# Altium PCB radxa_cm3i_io_board_v1.4.PcbDoc (part 8 of 9)
Units mil, origin at the board's own origin, x right, y up, seen from the top; angles counter-clockwise.
Board outline 7886.22 x 5511.42 mil, 4 copper layers (Top, GND, Power, Bottom), stack 35.4 mil thick; 724 components, 544 nets, 2607 pads, 3449 vias.
Unrouted connection lines stored in the file: 2847.
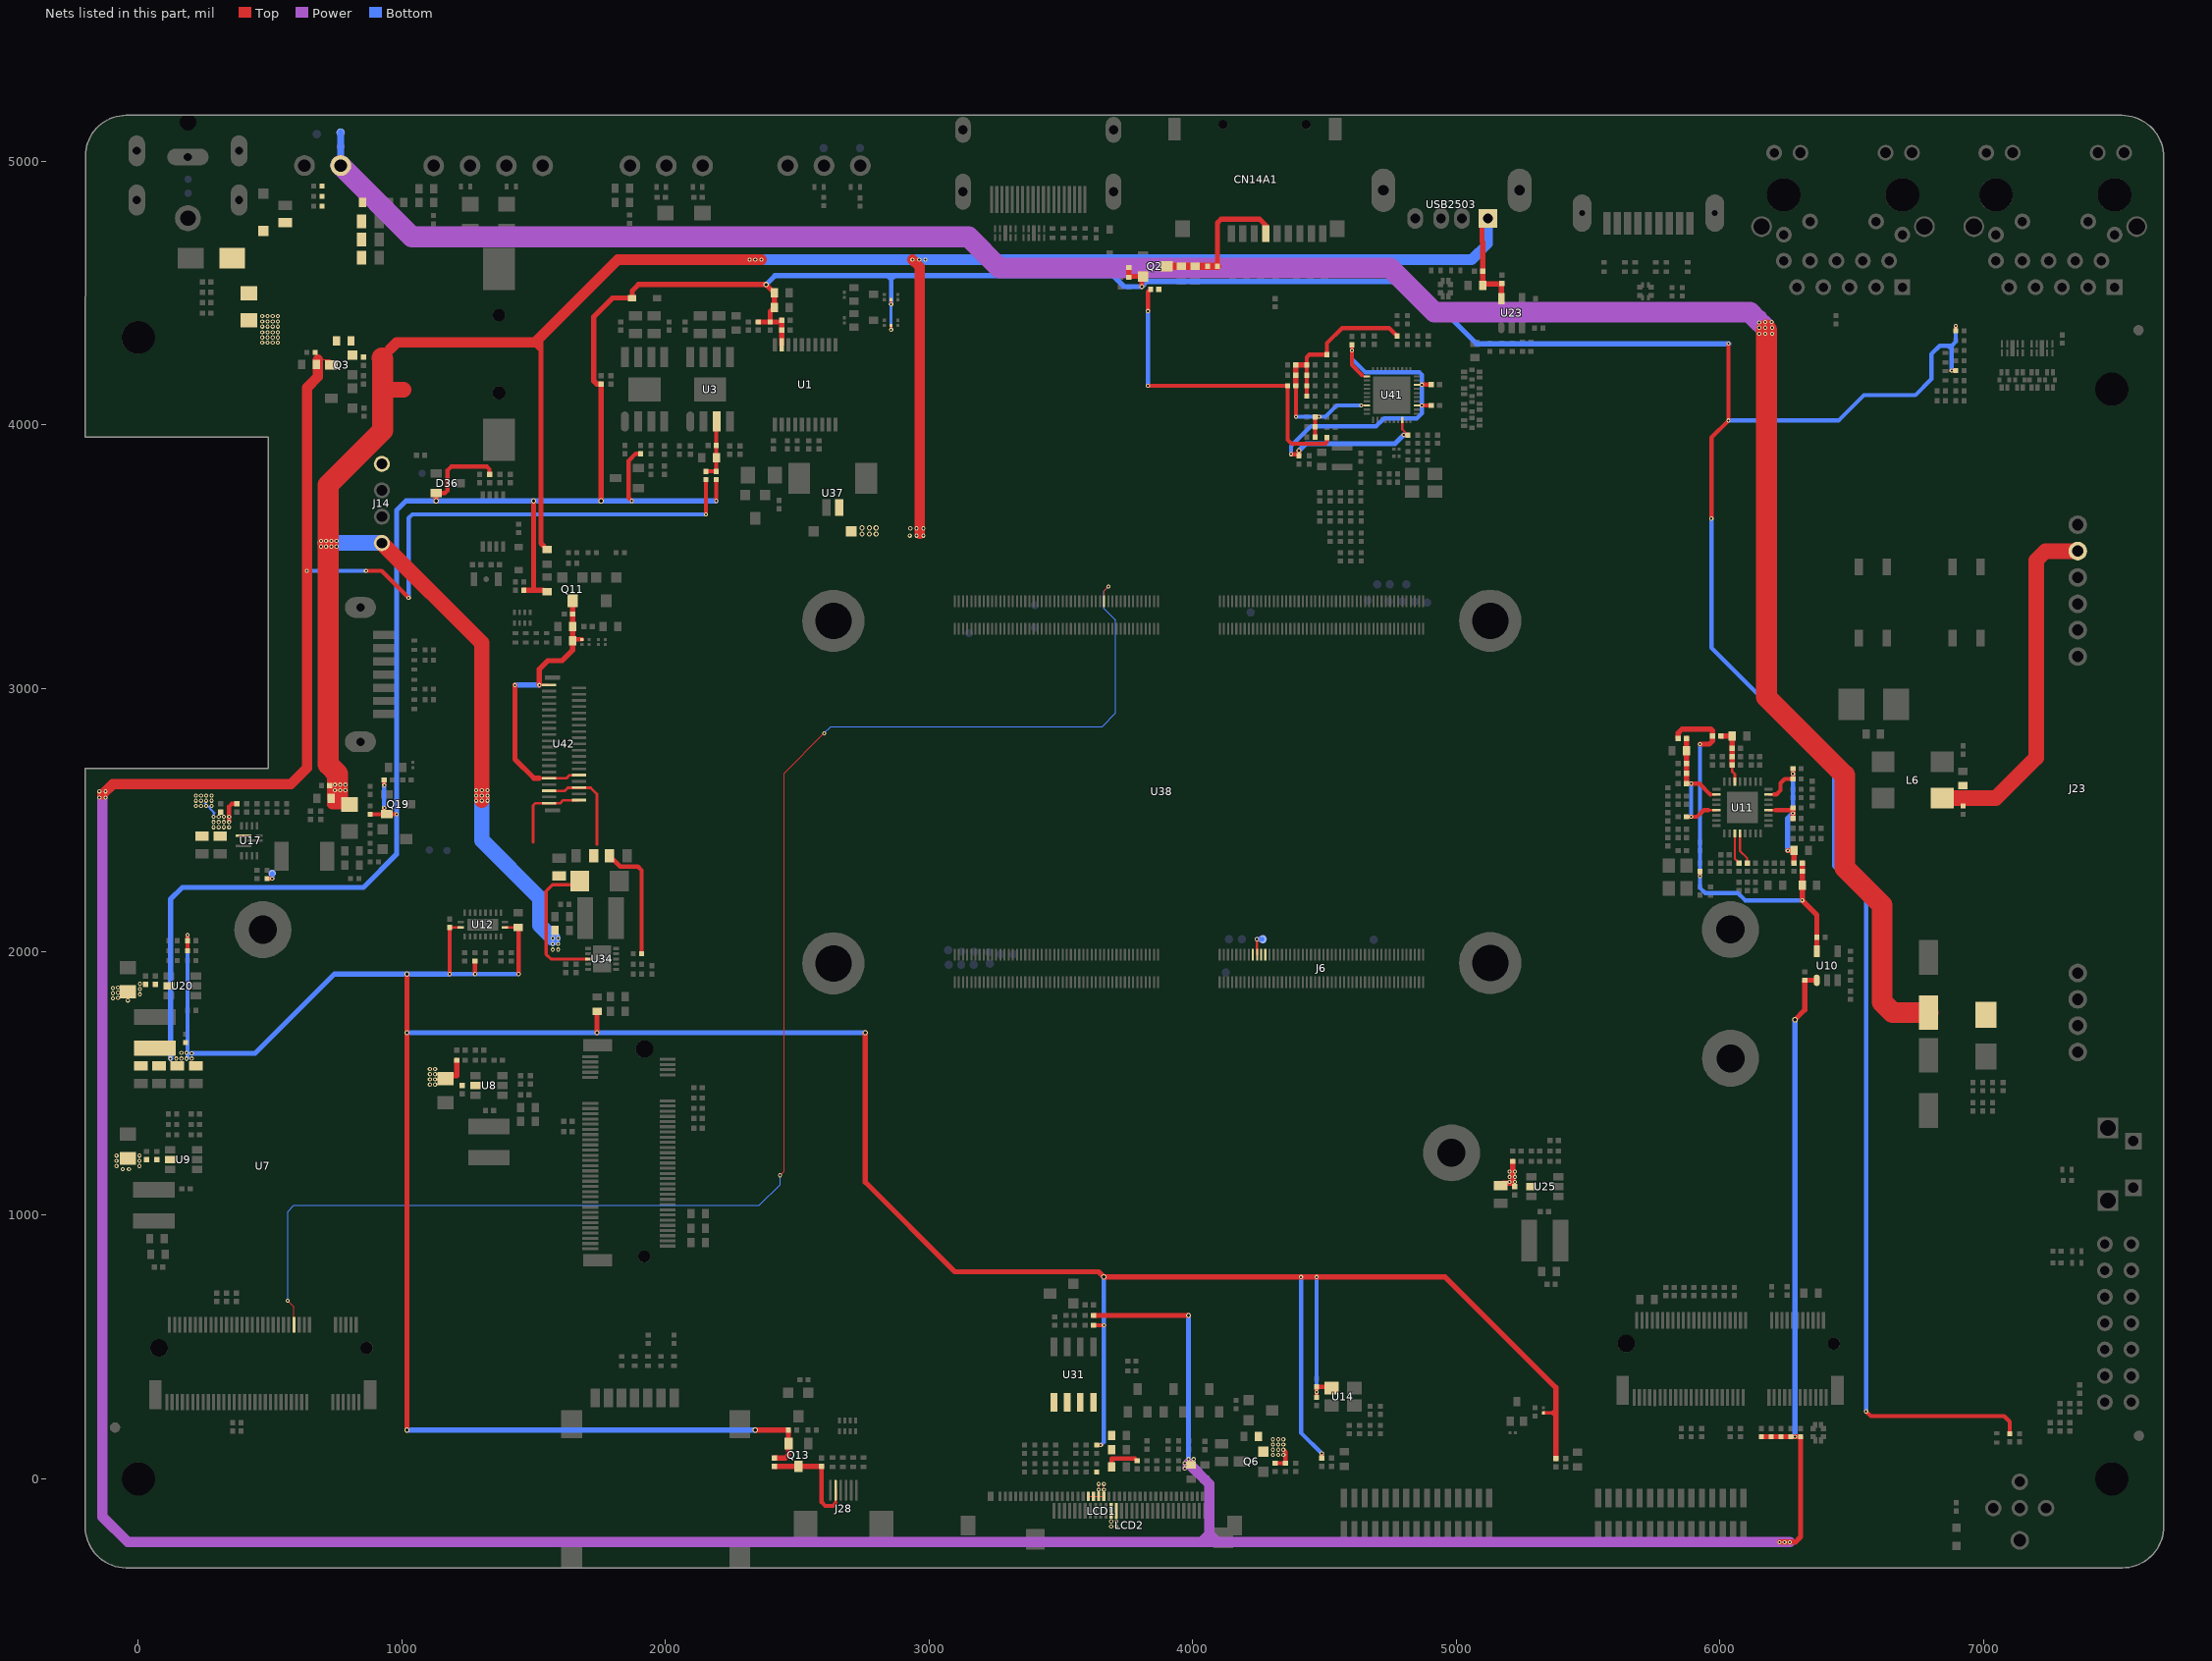
[diagram p10: the nets of this part, all layers, seen from the top]

## Via types
v1: diameter 15.75, hole 7.87, Top to Bottom, 3415 vias
v2: diameter 19.68, hole 11.81, Top to Bottom, 34 vias

## Nets (pads, with @x,y where several pads share a name; then routed paths per layer and width w, separated by ;. In a path a pad name is that pad's centre, name@x,y a point inside that pad or via, vN(x,y) a via of type N, cw(c..) or ccw(c..) an arc to the next point about the centre after c; other vN are vias at no path point) (continued)
VCC3V3_PI6C_05: C53.1 C54.1 FB3.1 R116.1 R117.1 R118.1 R119.1 U10.5 | length 1581
  Top w3.94: C53.1@6312.99,2251.97 C53.1@6312.99,2253.94
  Top w15.75: v1(5925.2,2287.4) FB3.1@5925.2,2305.12
  Top w19.68: R119.1@5842.52,2809.06 5842.52,2830.71 5856.3,2844.49 5966.54,2844.49 5972.44,2838.58 R116.1@5972.44,2818.9 5972.44,2799.21 5960.63,2787.4 v1(5925.2,2787.4) ; R118.1@6312.99,2336.61 R117.1@6312.99,2305.12 6312.99,2253.94 v1(6312.99,2194.88) 6368.11,2139.76 6368.11,2086.61 C54.1@6368.11,2055.12 U10.5@6368.11,2001.97
  Bottom w15.75: v1(5925.2,2787.4) v1(5925.2,2287.4) 5925.2,2242.13 5944.88,2222.44 6068.9,2222.44 6096.46,2194.88 v1(6312.99,2194.88)
VCC3V3_SD: J6.78 J6.80 J6.82 J6.84 P15.1 | length 81.3
  Top w7.87: v1(4244.09,2047.24) 4244.09,1988.19 J6.82@4244.49,1988.58
  Bottom w15.75: v1(4244.09,2047.24) P15.1@4265.75,2047.24
VCC3V3_SD_1: C105.1 C106.1 C108.1 C109.1 CN14A1.4 Q2.3 R176.2 | length 655.1
  Top w19.68: C109.1@4094.49,4600.39 4094.49,4765.75 4108.27,4779.53 4253.94,4779.53 4277.56,4755.91 4277.56,4717.89 CN14A1.4@4277.17,4724.19
  Top w27.56: Q2.3@3900.83,4600.39 C105.1@4009.84,4600.39 ; C108.1@3956.69,4600.39 C105.1@4009.84,4600.39 ; C109.1@4094.49,4600.39 C106.1@4057.09,4600.39 C105.1@4009.84,4600.39
VCC3V3_SYS: C3.1 C4.1 C7.1 C8.1 C79.1 C80.1 C92.1 C107.1 C130.1 C131.1 C132.1 C135.1 C136.1 C137.1 D5.1 D36.2 FB7.1 FB8.1 L4.2 Q2.2 Q13.2 Q19.2 R7.1 R9.2 R11.1 R16.1 R24.2 R25.1 R34.2 R39.1 R44.1 R47.1 R152.1 R169.2 R176.1 R177.1 R188.1 R232.2 R238.2 R284.2 R299.1 R333.1 R338.1 R341.2 R346.2 R347.1 R396.1 R399.1 R417.2 R419.1 U1.19 U12.9 U12.20 U14.4 | length 32221.4
  Top w9.84: C80.1@1181.1,2092.52 U12.20@1223.23,2092.52 ; U12.9@1390.94,2092.52 C79.1@1440.94,2092.52
  Top w11.81: v1(2856.3,4360.24) R47.1@2856.3,4375.98 ; v1(2856.3,4456.69) R44.1@2856.3,4474.41 ; R39.1@5330.71,250 5364.17,250 ; 5377.95,236.22 5364.17,250 ; 5377.95,246.25 5374.2,250 5364.17,250 ; 5377.95,263.78 5364.17,250
  Top w15.75: R188.1@187.01,2003.94 C130.1@187.01,2041.34 v1(187.01,2062.99) ; v1(933.07,2545.28) 933.07,2522.91 931.81,2521.65 R417.2@879.92,2521.65 Q19.2@942.91,2521.66 v1(980.32,2521.65) ; v1(933.07,2631.89) R419.1@933.07,2651.57 ; D36.2@1129.92,3740.16 1163.39,3740.16 1173.23,3750 1173.23,3826.77 1187.01,3840.55 1322.83,3840.55 1332.68,3830.71 R346.2@1332.68,3811.02 ; v1(1181.1,1915.35) C80.1@1181.1,2092.52 ; v1(1277.56,1915.35) R152.1@1277.56,1964.57 ; C79.1@1440.94,2092.52 1442.91,2090.55 v1(1442.91,1915.35) ; v1(1872.05,3710.63) 1860.24,3722.44 1860.24,3862.2 1887.8,3889.76 R11.1@1905.51,3889.76 ; v1(2192.91,3710.63) R24.2@2192.91,3791.34 ; R299.1@3624.02,582.68 v1(3663.39,582.68) ; R284.2@3635.83,127.95 v1(3651.57,127.95) ; v1(3830.71,4147.64) R396.1@4360.24,4147.64 4360.24,3942.91 4375.98,3927.17 4503.94,3927.17 4509.84,3933.07 R399.1@4509.84,3950.79 ; v1(3830.71,4431.1) 3830.71,4503.94 R176.1@3840.55,4513.78 ; R169.2@4470.47,309.06 v1(4470.47,328.74) C92.1@4470.47,348.43 4523.61,348.43 U14.4@4527.56,344.48 ; FB7.1@4490.16,78.74 v1(4490.16,96.46) ; v1(5968.5,3643.7) 5968.5,3950.79 v1(6033.46,4015.75) v1(6033.46,4307.09) ; v1(6555.12,255.91) 6572.83,238.19 7078.74,238.19 7100.39,216.54 R16.1@7100.39,171.26 ; v1(6879.92,4204.72) R238.2@6895.67,4204.72 ; R232.2@6895.67,4356.3 v1(6895.67,4374.02)
  Top w19.68: v2(1019.69,185.04) v2(1019.69,1692.91) v2(1019.69,1915.35) ; v2(1129.92,3710.63) D36.2@1129.92,3740.16 ; R347.1@1462.6,3372.05 1500,3372.05 ; v2(1500,3710.63) 1500,3372.05 ; R333.1@1551.18,3366.14 1547.24,3366.14 1545.28,3364.17 1537.4,3372.05 1500,3372.05 ; v2(1740.16,1692.91) R34.2@1740.16,1773.62 ; v2(1755.91,3710.63) R9.2@1755.91,4153.54 1740.16,4153.54 1728.35,4165.35 1728.35,4409.45 1799.21,4480.31 D5.1@1874.02,4480.31 1874.02,4507.87 1897.64,4531.5 v2(2381.89,4531.5) C3.1@2413.39,4500 C7.1@2413.39,4444.88 2397.64,4429.13 R7.1@2397.64,4389.76 ; v2(2340.55,185.04) R341.2@2466.54,185.04 Q13.2@2466.54,133.86 2466.54,90.55 2454.72,78.74 R338.1@2413.39,78.74 ; R25.1@2352.36,4389.76 R7.1@2397.64,4389.76 ; U1.19@2440.94,4303.15 C4.1@2440.94,4358.27 C8.1@2440.94,4389.76 ; C8.1@2440.94,4395.67 C8.1@2440.94,4389.76 ; v2(2757.87,1692.91) 2757.87,1125.98 3098.43,785.43 3643.7,785.43 v2(3663.39,765.75) v1(4411.42,765.75) v1(4470.47,765.75) 4958.66,765.75 5377.95,346.46 5377.95,263.78 5377.95,246.25 5377.95,236.22 FB8.1@5377.95,76.77 ; R177.1@3757.87,4596.46 C107.1@3757.87,4559.06 3761.21,4562.39 Q2.2@3811.77,4562.39 3807.09,4557.71 v2(3807.09,4523.62) ; R7.1@2397.64,4389.76 C8.1@2440.94,4389.76
  Bottom w11.81: v1(2856.3,4360.24) v1(2856.3,4456.69)
  Bottom w15.75: v1(183.07,1594.49) 187.01,1598.43 v1(187.01,2062.99) ; v1(933.07,2545.28) v1(933.07,2631.89) ; v1(1181.1,1915.35) v1(1277.56,1915.35) v1(1442.91,1915.35) ; 2838.58,4564.96 2839.57,4563.98 2841.54,4563.98 ; 2840.55,4564.96 2841.54,4563.98 ; v1(2856.3,4456.69) 2856.3,4549.21 ; 2856.3,4564.96 2856.3,4549.21 ; 2870.08,4564.96 2870.08,4562.99 2856.3,4549.21 ; v1(3651.57,127.95) 3663.39,139.76 v1(3663.39,582.68) v2(3663.39,765.75) ; v1(3830.71,4147.64) v1(3830.71,4431.1) ; v1(4411.42,765.75) 4411.42,175.2 v1(4490.16,96.46) ; v1(4470.47,328.74) v1(4470.47,765.75) ; v1(5968.5,3643.7) 5968.5,3153.54 6433.07,2688.98 6433.07,2324.8 6555.12,2202.76 v1(6555.12,255.91) ; v1(6033.46,4015.75) 6450.79,4015.75 6547.24,4112.2 6742.13,4112.2 6803.15,4173.23 6803.15,4267.72 6834.65,4299.21 6866.14,4299.21 ; v1(6879.92,4204.72) 6879.92,4285.43 ; v1(6895.67,4374.02) 6895.67,4314.96 6879.92,4299.21 ; 2841.54,4563.98 2856.3,4549.21 ; 6866.14,4299.21 6879.92,4285.43 ; 6866.14,4299.21 6879.92,4299.21 ; 6879.92,4285.43 6879.92,4299.21
  Bottom w19.68: v1(122.05,1594.49) 122.05,2198.82 167.32,2244.09 854.33,2244.09 980.32,2370.08 v1(980.32,2521.65) 980.32,3675.2 1015.75,3710.63 v2(1129.92,3710.63) v2(1500,3710.63) v2(1755.91,3710.63) v1(1872.05,3710.63) v1(2192.91,3710.63) ; v1(202.76,1614.17) 442.91,1614.17 744.09,1915.35 v2(1019.69,1915.35) v1(1181.1,1915.35) ; v2(1019.69,185.04) v2(2340.55,185.04) ; v2(1019.69,1692.91) v2(1740.16,1692.91) v2(2757.87,1692.91) ; v2(2381.89,4531.5) 2415.35,4564.96 2838.58,4564.96 2840.55,4564.96 2856.3,4564.96 2870.08,4564.96 3698.82,4564.96 3740.16,4523.62 v2(3807.09,4523.62) 3826.77,4543.31 4840.55,4543.31 5076.77,4307.09 v1(6033.46,4307.09)
  other v1: 143.7,1594.49 163.39,1594.49 202.76,1594.49 163.39,1616.14 183.07,1616.14
VCC3V3_TP: C230.1 J28.2 Q13.3 R338.2 | length 427.1
  Top w9.84: 2645.67,-92.52 J28.2@2645.67,-43.31
  Top w15.75: C230.1@2592.52,47.24 2592.52,-88.58 2606.3,-102.36 2635.83,-102.36 2645.67,-92.52
  Top w19.68: R338.2@2413.39,47.24 Q13.3@2503.94,47.24 C230.1@2592.52,47.24
VCC5V0_USB: C113.1 C114.1 C141.1 C271.2 C272.2 D37.2 FB10.1 J14.4 Q3.2 R181.1 R194.2 R195.2 R334.1 U23.5 U37.2 USB2503.1 | length 11124.1
  Top w7.87: 755.91,2582.68 772.95,2582.68 796.57,2559.06 R181.1@801.18,2559.06
  Top w15.75: v1@714.57,3537.4 v1(751.97,3537.4) ; 720.47,3559.06 v1(751.97,3559.06)
  Top w19.68: v1(692.91,3537.4) v1@710.63,3537.4 ; v1(692.91,3559.06) 710.63,3541.34 v1@710.63,3537.4 ; 720.47,3537.4 714.57,3537.4 v1@710.63,3537.4 ; C114.1@726.38,2629.92 728.35,2629.92 v1(746.06,2612.2) ; 1500,4311.42 1527.56,4283.86 ; 1527.56,4334.65 1527.56,4283.86 ; R334.1@1551.18,3525.59 1527.56,3549.21 1527.56,4283.86 ; C271.2@5100.39,4527.56 C271.2@5100.39,4533.46 ; USB2503.1@5120.08,4782.28 5112.99,4782.28 5098.43,4767.72 5098.43,4694.88 5100.39,4692.91 C272.2@5100.39,4582.68 C271.2@5100.39,4533.46 ; U23.5@5171.26,4478.35 C141.1@5171.26,4533.46 ; C141.1@5173.23,4535.43 C141.1@5171.26,4533.46 ; C271.2@5100.39,4533.46 C141.1@5171.26,4533.46
  Top w39.37: 736.22,2559.06 R181.1@801.18,2559.06 ; 924.02,4252.36 924.02,4255.12 980.32,4311.42 1500,4311.42 1504.33,4311.42 1527.56,4334.65 1818.9,4625.98 v1(2318.9,4625.98) v1(2340.55,4625.98) v1(2364.17,4625.98) ; v1(2937.01,4625.98) 2964.57,4598.43 2964.57,3586.61
  Top w59.06: J14.4@924.02,3550.79 1303.15,3171.65 v1(1303.15,2612.2) v1(1303.15,2592.52) v1@1303.15,2574.8 ; 924.02,4252.36 931.1,4245.28 931.1,4131.89 1005.91,4131.89
  Top w78.74: 755.91,2582.68 755.91,2675.2 720.47,2710.63 720.47,3537.4 720.47,3559.06 720.47,3771.65 927.17,3978.35 927.17,4249.21 924.02,4252.36
  Bottom w7.87: v1(692.91,3537.4) 694.88,3535.43 695.28,3535.43 710.63,3550.79 ; v1(1572.83,2029.53) v1@1584.65,2029.53
  Bottom w19.68: v1(1572.83,2029.53) v1(1572.83,2051.18)
  Bottom w39.37: v1(2318.9,4625.98) v1(2364.17,4625.98) v1(2937.01,4625.98) 5059.06,4625.98 5120.08,4687.01 USB2503.1@5120.08,4782.28
  Bottom w59.06: 710.63,3550.79 J14.4@924.02,3550.79 ; v1(1303.15,2592.52) v1(1303.15,2572.83) 1303.15,2423.23 1523.62,2202.76 1523.62,2100.39 v1(1572.83,2051.18)
  other v1: 1572.83,2007.87 1592.52,2007.87 1592.52,2029.53 1592.52,2051.18 1281.5,2572.83 1324.8,2572.83 1281.5,2592.52 1324.8,2592.52 765.75,2612.2 785.43,2612.2 1281.5,2612.2 1324.8,2612.2 746.06,2633.86 765.75,2633.86 785.43,2633.86 712.6,3537.4 732.28,3537.4 712.6,3559.06 732.28,3559.06 2927.17,3578.74 2952.76,3578.74 2978.35,3578.74 2929.13,3606.3 2952.76,3606.3 2978.35,3606.3 2962.6,4625.98 2986.22,4625.98
  other v2: 2746.06,3584.65 2773.62,3584.65 2799.21,3584.65 2746.06,3608.27 2773.62,3608.27 2799.21,3608.27
VCC5V_P: C52.1 C138.1 C139.1 Q3.3 R26.2 R194.1 R212.1 R213.1 R214.1 R215.1 R216.1 R297.1 R302.1 U10.1 | length 17567
  Top w3.94: v1(-147.64,2584.65) -135.83,2596.46 ; 681.1,4246.06 726.38,4246.06 732.62,4239.82 Q3.3@732.62,4226.38
  Top w15.75: v1(864.17,3444.88) 923.23,3444.88 v1(1025.59,3342.52) ; v1(2153.54,3659.45) R26.2@2153.54,3791.34
  Top w19.68: R302.1@3624.02,620.08 v2(3984.25,620.08) ; R216.1@6157.48,159.45 R213.1@6194.88,159.45 R212.1@6232.28,159.45 R215.1@6269.69,159.45 v1(6285.43,159.45) R214.1@6307.09,159.45 6307.09,-220.47 6287.4,-240.16 v1(6226.38,-240.16) ; v2(6285.43,1742.13) 6322.83,1779.53 C52.1@6322.83,1891.73 U10.1@6368.11,1891.73
  Top w39.37: -135.83,2596.46 -96.46,2635.83 578.74,2635.83 639.76,2696.85 v1(639.76,3444.88) 639.76,4139.76 681.1,4181.1 681.1,4246.06
  Power w3.94: v1(-147.64,2584.65) -146.07,2584.65 -135.83,2594.89 -136.61,2595.67 ; v1(-147.64,2608.27) -147.64,2606.7 -136.61,2595.67 ; -135.83,2584.65 v1(-124.02,2584.65) ; v1(-124.02,2608.27) -136.61,2595.67 ; 3964.57,33.46 3964.57,51.18 3988.19,74.8 v1(4003.94,74.8) ; v1(3970.47,39.37) v1(3970.47,59.06) 3984.25,59.06 v1(3984.25,74.8)
  Power w39.37: -135.83,2594.89 -135.83,2584.65 -135.83,-143.7 -39.37,-240.16 4033.46,-240.16 ; 3984.25,59.06 4062.99,-19.69 4062.99,-210.63 ; v1(6265.75,-240.16) v1(6246.06,-240.16) v1(6226.38,-240.16) 4092.52,-240.16 ; 4033.46,-240.16 4062.99,-210.63 ; 4033.46,-240.16 4092.52,-240.16 ; 4062.99,-210.63 4092.52,-240.16
  Bottom w15.75: v1(639.76,3444.88) v1(864.17,3444.88) ; v1(1025.59,3342.52) 1025.59,3645.67 1039.37,3659.45 v1(2153.54,3659.45)
  Bottom w19.68: v1(3984.25,74.8) v2(3984.25,620.08) ; v1(6226.38,-240.16) v1(6246.06,-240.16) v1(6265.75,-240.16) ; v1(6285.43,159.45) v2(6285.43,1742.13)
VCC12V: C36.1 C37.1 C45.1 C46.1 C110.1 C111.1 C115.1 C128.1 C129.1 C149.1 C150.1 C203.1 J14.1 Q6.2 R106.1 R111.1 R180.1 R182.2 R187.1 R224.1 R296.1 R301.1 U8.5 U9.5 U17.1 U20.5 U25.5 | length 526.3
  Top w3.94: v1(-39.37,1814.96) C128.1@-39.37,1847.7
  Top w15.75: v1(344.49,2492.13) 344.49,2551.18 354.33,2561.02 R182.2@374.02,2561.02 ; R301.1@4312.99,59.06 C203.1@4352.36,59.06 4352.36,102.36 v1(4344.49,110.24)
  Top w19.68: C36.1@1165.35,1518.44 1176.44,1529.53 1208.66,1529.53 R106.1@1208.66,1588.58 ; C149.1@5169.29,1112.2 5179.13,1122.05 5214.57,1122.05 R224.1@5214.57,1204.72
  Bottom w7.87: 252.36,2562.99 289.37,2525.98 285.43,2522.05 v1(285.43,2511.81)
  other v1: 4305.12,90.55 4324.8,90.55 4344.49,90.55 4305.12,110.24 4324.8,110.24 4305.12,129.92 4324.8,129.92 4344.49,129.92 4305.12,149.61 4324.8,149.61 4344.49,149.61 5202.76,1125.98 5222.44,1125.98 5202.76,1145.67 5222.44,1145.67 5202.76,1165.35 5222.44,1165.35 -59.06,1175.2 -35.43,1175.2 -82.68,1187.01 3.94,1187.01 -82.68,1206.69 3.94,1206.69 -82.68,1226.38 3.94,1226.38 1106.3,1496.06 1125.98,1496.06 1106.3,1515.75 1125.98,1515.75 1106.3,1535.43 1125.98,1535.43 1106.3,1555.12 1125.98,1555.12 -96.46,1822.83 -76.77,1824.8 5.91,1838.58 -96.46,1842.52 -76.77,1844.49 5.91,1858.27 -96.46,1862.2 -76.77,1864.17 5.91,1877.95 285.43,2472.44 305.12,2472.44 324.8,2472.44 344.49,2472.44 285.43,2492.13 305.12,2492.13 324.8,2492.13 305.12,2511.81 324.8,2511.81 344.49,2511.81 218.5,2553.15 238.19,2553.15 257.87,2553.15 277.56,2553.15 218.5,2572.83 238.19,2572.83 257.87,2572.83 277.56,2572.83 218.5,2592.52 238.19,2592.52 257.87,2592.52 277.56,2592.52 470.47,4311.02 490.16,4311.02 509.84,4311.02 529.53,4311.02 470.47,4330.71 490.16,4330.71 509.84,4330.71 529.53,4330.71 470.47,4350.39 490.16,4350.39 509.84,4350.39 529.53,4350.39 470.47,4372.05 490.16,4372.05 509.84,4372.05 529.53,4372.05 470.47,4391.73 490.16,4391.73 509.84,4391.73 529.53,4391.73 470.47,4411.42 490.16,4411.42 509.84,4411.42 529.53,4411.42
VCC12V_DCIN: C85.1 C121.1 C122.1 C125.2 C126.1 C215.1 C216.1 C217.2 C218.1 D15.2 D16.2 D30.2 P21.1 R180.2 T1.1 U18.1 | length 8978.6
  Top w3.94: v1(6149.61,4344.49) v1(6173.23,4344.49) v1@6175.2,4344.49 ; v1(6173.23,4368.11) 6181.1,4360.24 6177.17,4360.24 ; C218.1@6774.24,1773.62 6786.73,1773.62 C218.1@6791.34,1769.02
  Top w78.74: 6177.17,4360.24 6177.17,2966.54 6474.41,2669.29 6474.41,2318.9 6616.14,2177.17 6616.14,1809.06 6656.18,1769.02 C218.1@6791.34,1769.02
  Power w3.94: 6143.7,4397.64 6149.61,4403.54 6159.45,4403.54 v1(6173.23,4389.76) v1(6196.85,4389.76) ; v1(6149.61,4344.49) v1(6149.61,4368.11) v1(6149.61,4387.8) ; v1@6169.29,4372.05 6194.88,4372.05 v1(6198.82,4368.11) v1(6198.82,4344.49) ; v1(6173.23,4344.49) v1(6173.23,4368.11)
  Power w7.87: 6157.48,4372.05 6169.29,4372.05 v1(6173.23,4368.11)
  Power w78.74: U18.1@768.11,4983.07 1038.58,4712.6 3149.61,4712.6 3267.72,4594.49 4750,4594.49 4917.32,4427.17 6114.17,4427.17 6143.7,4397.64 v1@6169.29,4372.05
  Bottom w3.94: P21.1@767.72,5055.12 768.4,5055.8 P21.1@767.72,5055.8 ; 6161.42,4368.11 v1(6173.23,4368.11)
  Bottom w27.56: P21.1@767.72,5055.8 P21.1@767.72,5055.12 ; T1.1@767.72,5108.27 P21.1@767.72,5055.12 ; U18.1@768.11,4983.07 767.72,4983.46 P21.1@767.72,5055.12
VCC_CAN: C12.1 C15.1 R24.1 R26.1 U3.3 | length 231.5
  Top w3.94: C15.1@2192.91,3874.02 C15.1@2192.91,3875.98
  Top w15.75: R26.1@2153.54,3822.83 R24.1@2192.91,3822.83 2192.91,3875.98 C12.1@2192.91,3921.26 2192.91,4011.81 U3.3@2194.09,4011.81
VCC_LCD: C207.1 C208.1 C209.1 C210.1 LCD1.18 LCD1.19 LCD1.20 LCD1.21 LCD2.12 LCD2.13 R292.1 U31.5 U31.6 U31.7 U31.8 | length 304.4
  Top w3.94: LCD1.18@3604.33,-66.93 LCD1.20@3643.7,-66.93 v1(3643.7,-41.34) v1(3643.7,-19.69) ; LCD1.19@3624.02,-66.93 LCD1.21@3663.39,-66.93 v1(3663.39,-41.34) v1(3663.39,-19.69)
  Top w15.75: C209.1@3692.91,45.28 3692.91,76.77 3781.5,76.77 R292.1@3789.37,68.9
  other v1: 3690.94,-181.1 3710.63,-181.1 3690.94,-161.42 3710.63,-161.42
VCC_LCD_MIPI: C227.1 C228.1 C229.1 Q11.3 R205.1 U42.1 U42.30 U42.31 | length 1126.4
  Top w3.94: C227.1@1647.64,3234.25 C227.1@1647.64,3234.79
  Top w9.84: 1521.65,2658.27 U42.31@1558.08,2658.27 1624.02,2658.27 1635.83,2670.08 U42.30@1671.26,2670.08 ; v1(1521.65,3011.81) U42.1@1557.09,3011.81
  Top w15.75: C228.1@1647.64,3185.04 R205.1@1683.07,3185.04
  Top w19.68: v1(1429.13,3011.81) 1429.13,2730.31 1501.18,2658.27 1521.65,2658.27 ; v1(1521.65,3011.81) 1521.65,3072.83 1553.15,3104.33 1608.27,3104.33 1647.64,3143.7 C228.1@1647.64,3179.13 1647.64,3185.04 1647.64,3234.79 C229.1@1647.64,3281.5 Q11.3@1647.64,3331.45
  Bottom w19.68: v1(1429.13,3011.81) v1(1521.65,3011.81)
VCC_LDO5V: P19.1 R184.1 | length 39.4
  Top w15.75: R184.1@488.19,2277.56 v1(507.87,2277.56)
  Bottom w15.75: v1(507.87,2277.56) P19.1@507.87,2297.24
VCC_LEDA1: C224.1 D31.2 U34.8 U42.38 U42.39 | length 878.4
  Top w9.84: 1498.03,2415.35 1498.03,2555.12 1505.91,2562.99 1600.39,2562.99 1612.2,2574.8 U42.38@1670.27,2574.8
  Top w11.81: D31.2@1675.2,2267.72 1679.13,2263.78 1669.29,2253.94 1570.87,2253.94 1547.24,2230.31 1547.24,1990.16 1564.96,1972.44 U34.8@1706.69,1972.44
VCC_LEDK1: R326.2 R329.1 R330.1 U42.34 U42.35 | length 850.5
  Top w9.84: U42.35@1557.09,2610.24 1618.11,2610.24 1629.92,2622.05 1716.54,2622.05 1740.16,2598.43 1740.16,2407.48
  Top w15.75: R329.1@1787.4,2364.17 1828.74,2322.83 1895.67,2322.83 1909.45,2309.06 R326.2@1909.45,1992.13
VCCIO_PHY1: C252.1 C253.1 C254.1 C255.1 R372.1 R381.1 R383.1 R387.1 R389.1 R395.2 R396.2 R397.1 U41.28 | length 1193.7
  Top w3.94: C252.1@4464.57,3990.16 C252.1@4464.57,3992.13
  Top w7.87: v1(4639.76,4072.83) U41.28@4661.42,4072.83
  Top w15.75: v1(4391.73,4029.53) R396.2@4391.73,4147.64 ; R381.1@4433.07,4108.27 R383.1@4433.07,4147.64 R387.1@4433.07,4187.01 R389.1@4433.07,4226.38 4433.07,4255.91 4442.91,4265.75 R372.1@4509.84,4265.75 4509.84,4309.06 4566.93,4366.14 4746.06,4366.14 R397.1@4775.59,4336.61 ; C253.1@4464.57,3952.76 4464.57,3990.16 C254.1@4464.57,4029.53 v1(4480.32,4029.53)
  Top w19.68: R396.2@4391.73,4147.64 C255.1@4391.73,4187.01 R395.2@4391.73,4226.38 R389.1@4433.07,4226.38
  Bottom w15.75: v1(4391.73,4029.53) v1(4480.32,4029.53) 4503.94,4029.53 4547.24,4072.83 v1(4639.76,4072.83)
VCCOA: C65.1 C66.1 C67.1 C73.2 C74.2 R119.2 U11.2 U11.5 | length 555.3
  Top w3.94: C66.1@5874.02,2712.6 C66.1@5874.02,2714.57
  Top w9.84: 5956.69,2537.4 U11.5@5988.19,2537.4 ; 5964.57,2596.46 U11.2@5988.19,2596.46
  Top w15.75: C74.2@5874.02,2511.81 v1(5891.73,2511.81) 5913.39,2511.81 5938.98,2537.4 5956.69,2537.4 ; C67.1@5874.02,2637.8 v1(5891.73,2637.8) 5923.23,2637.8 5964.57,2596.46
  Top w19.68: C67.1@5874.02,2637.8 C73.2@5874.02,2677.17 5874.02,2712.6 C65.1@5874.02,2761.81 R119.2@5874.02,2809.06
  Bottom w15.75: v1(5891.73,2511.81) v1(5891.73,2637.8)
VCCOB: C62.1 C63.1 C64.1 C68.2 C69.2 R118.2 U11.20 U11.23 | length 674.7
  Top w9.84: U11.20@6185.04,2537.4 6210.63,2537.4 ; U11.23@6185.04,2596.46 6206.69,2596.46
  Top w15.75: 6206.69,2596.46 6214.57,2596.46 6230.32,2612.2 6230.32,2639.76 6246.06,2655.51 C64.1@6277.56,2655.51 v1(6277.56,2675.2) C69.2@6277.56,2694.88 ; 6210.63,2537.4 C68.2@6277.56,2537.4
  Top w19.68: v1(6257.87,2383.86) C62.1@6281.5,2383.86 R118.2@6281.5,2336.61 ; C63.1@6277.56,2505.91 v1(6277.56,2525.59) 6277.56,2537.4 C68.2@6277.56,2545.28
  Bottom w15.75: v1(6277.56,2525.59) v1(6277.56,2675.2)
  Bottom w19.68: v1(6257.87,2383.86) 6257.87,2505.91 v1(6277.56,2525.59)
VCCOC: C56.1 C57.1 C58.1 C72.2 R116.2 U11.30 | length 222.6
  Top w3.94: C57.1@6047.24,2738.19 C57.1@6047.24,2740.16
  Top w9.84: C72.2@6047.24,2708.66 6047.24,2683.07 6057.09,2673.23 U11.30@6057.09,2645.67
  Top w19.68: R116.2@6003.94,2818.9 C56.1@6047.24,2818.9 C58.1@6047.24,2771.65 6047.24,2738.19 C72.2@6047.24,2708.66
VDD10_PHY1: C248.1 C249.1 C250.1 C251.1 R394.2 U41.3 U41.8 U41.21 U41.38 | length 1868.2
  Top w7.87: 4641.73,4188.98 4647.64,4183.07 U41.21@4661.42,4183.07 ; U41.38@4795.28,4017.72 4795.28,3982.28 C249.1@4816.93,3960.63 ; U41.3@4850.39,4072.83 v1(4870.08,4072.83) ; U41.8@4850.39,4151.57 v1(4870.08,4151.57)
  Top w15.75: v1(4374.02,3887.8) 4403.54,3887.8 R394.2@4403.54,3881.89 ; C251.1@4604.33,4303.15 v1(4604.33,4281.5) 4604.33,4226.38 4641.73,4188.98 ; v1(4801.18,3960.63) C249.1@4816.93,3960.63 ; v1(4870.08,4072.83) C250.1@4905.51,4072.83 ; v1(4870.08,4151.57) C248.1@4905.51,4151.57
  Top w19.68: R394.2@4403.54,3881.89 v2(4403.54,3901.57)
  Bottom w15.75: v1(4374.02,3887.8) 4374.02,3919.29 4448.82,3994.09 4696.85,3994.09 4726.38,4023.62 4850.39,4023.62 4870.08,4043.31 v1(4870.08,4072.83) v1(4870.08,4151.57) 4870.08,4188.98 4860.24,4198.82 4655.51,4198.82 4604.33,4250 v1(4604.33,4281.5)
  Bottom w19.68: v2(4403.54,3901.57) 4429.13,3927.17 4767.72,3927.17 v1(4801.18,3960.63)
VIN_GND: C22.1 J23.2 L6.3 R312.2 | length 1340.5
  Top w59.06: L6.3@6844.49,2582.68 7047.24,2582.68 7200.79,2736.22 7200.79,3484.65 7236.22,3520.08 J23.2@7358.27,3520.08
W_DISABLE: U7.26 U38.27 | length 5839.2
  Top w3.94: v1(566.93,675.2) 590.55,651.58 U7.26@590.55,584.65 ; v1(2435.04,1151.57) 2450.79,1167.32 2450.79,2677.17 v1(2602.36,2828.74) ; U38.27@3664.37,3329.92 3664.37,3370.05 3680.15,3385.83 v1(3681.1,3385.83)
  Bottom w3.94: v1(566.93,675.2) 566.93,1013.78 590.55,1037.4 2356.3,1037.4 2435.04,1116.14 v1(2435.04,1151.57) ; v1(2602.36,2828.74) 2627.95,2854.33 3657.48,2854.33 3708.66,2905.51 3708.66,3257.87 3663.39,3303.15 3663.39,3368.11 v1(3681.1,3385.83)
XTAL_IN_DUT: R140.1 U11.11 | length 118.7
  Top w7.87: U11.11@6057.09,2448.82 6057.09,2352.36 R140.1@6072.83,2336.61
XTAL_OUT_DUT: C78.2 U11.12 | length 123.6
  Top w7.87: U11.12@6076.77,2448.82 6076.77,2381.89 6104.33,2354.33 C78.2@6104.33,2336.61
pads on no net: CN14A1.14 CN14A1.15 H2.1 H3.1 H4.1 H6.1 J4.16 J4.17 J4.18 J4.19 J4.20 J4.21 J4.22 J4.23 J4.24 J4.25 J4.26 J4.27 J4.28 J4.29 J4.30 J6.10 J6.12 J6.26 J7.34 J7.36 J7.38 J7.40 J7.44 J7.46 J7.50 J7.52 J7.54 J7.58 J7.60 J7.64 J7.66 J7.70 J7.74 J7.78 J7.80 J7.82 J7.84 J7.86 J7.88 J7.89 J7.92 J7.93 J7.94 J7.95 J7.96 J7.98 J8.16 J8.17 J8.18 J8.19 J8.20 J8.21 J8.22 J8.23 J8.24 J8.25 J8.26 J8.27 J8.28 J8.29 J8.30 J19.14 J21.21 J21.22 J23.4 J23.5 J23.6 J35.2 J90036.11 J90036.12 J90036.13 J90036.14 J90036.21 J90036.22 LCD1.1 LCD1.22 LCD1.34 LCD1.35 LCD1.40 LCD1.41 LCD1.42 LCD2.1 LCD2.14 LCD2.24 LCD2.25 LCD2.30 M1.1 M2.1 M3.1 M4.1 M5.1 M6.1 U1.8 U1.9 U1.10 U1.11 U1.12 U1.14 U6.5 U6.6 U6.7 U6.8 U6.10 U6.11 U6.13 U6.17 U6.19 U6.20 U6.22 U6.23 U6.24 U6.25 U6.26 U6.28 U6.29 U6.30 U6.31 U6.32 U6.34 U6.35 U6.36 U6.37 U6.38 U6.40 U6.42 U6.44 U6.46 U6.48 U6.56 U6.58 U6.67 U6.68 U6.69 U6.78 U6.79 U7.1 U7.10 U7.20 U7.22 U7.24 U7.25 U7.28 U7.38 U7.40 U7.42 U7.44 U7.46 U7.48 U7.56 U7.58 U7.59 U7.60 U7.61 U7.62 U7.63 U7.64 U7.65 U7.68 U7.MH1 U7.MH2 U11.25 U11.26 U11.27 U17.4 U17.12 U24.6 U24.8 U24.9 U24.10 U24.11 U24.12 U24.13 U24.14 U24.20 U24.22 U24.32 U24.34 U24.36 U24.50 U24.58 U24.59 U24.60 U24.61 U24.62 U24.64 U24.65 U24.66 U24.67 U24.68 U24.70 U24.71 U24.73 U24.78 U24.79 U34.1 U34.3 U34.6 U34.10 U35.3 U35.4 U38.16 U38.18 U38.30 U38.34 U38.64 U38.68 U38.70 U38.72 U38.73 U38.94 U38.96 U38.104 U38.106 U38.111 U38.133 U38.135 U38.139 U38.141 U38.143 U38.145 U38.146 U38.147 U38.148 U38.149 U38.152 U38.154 U38.158 U38.160 U38.164 U38.166 U42.3 U42.5 U42.36 U42.37 Y3.3

## Polygon pours and split planes (outlines as drawn)
GND on Bottom (solid, remove dead copper, pour order 0): -230.31,5208.66 -230.31,-334.65 7718.5,-334.65 7718.5,5208.66
GND on Power (solid, remove dead copper, pour order 5): -165.35,4490.16 1033.46,4490.16 1033.46,3726.38 3289.37,3726.38 3289.37,2968.5 1486.22,2968.5 1486.22,2202.76 1033.46,2202.76 1033.46,1667.32 6120.08,1667.32 6120.08,-224.41 -27.56,-224.41 -165.35,-86.61 -165.35,3996.06 -222.44,3996.06 -222.44,-326.77 7710.63,-326.77 7710.63,5200.79 -222.44,5200.79 -222.44,4007.87 -165.35,4007.87
VCC12V on Power (solid, remove dead copper, pour order 4): 1027.56,4484.25 -159.45,4484.25 -159.45,-82.68 -23.62,-218.5 6114.17,-218.5 6114.17,1661.42 1027.56,1661.42
+5V_INPUT on Power (solid, remove dead copper, pour order 2): 1033.46,3720.47 1033.46,2208.66 1480.32,2208.66 1480.32,2976.38 3283.46,2976.38 3283.46,3720.47
GND on Power (solid, remove dead copper, pour order 1): -165.35,3980.31 -165.35,4025.59 -222.44,4025.59 -222.44,3980.31
GND on Top (solid, remove dead copper, pour order 3): -206.69,5185.04 -206.69,-311.02 7694.88,-311.02 7694.88,5185.04
no net on GND (split plane): 7526.95,-337.8 -47.67,-337.8 -47.72,-337.79
no net on GND (split plane): 7556.61,5170.89 7576.82,5165.47 7596.16,5157.47 7614.28,5147 7630.88,5134.26 7645.68,5119.47 7658.42,5102.86 7668.88,5084.74 7676.89,5065.41 7682.31,5045.19 7685.04,5024.44 7685.04,5013.98 7685.04,-179.71 7685.04,-190.07 7682.33,-210.62 7676.97,-230.63 7669.04,-249.78 7658.68,-267.73 7646.06,-284.17 7631.41,-298.82 7614.97,-311.44 7605.52,-316.89 -123.89,-316.89 -133.79,-311.03 -149.79,-298.49 -164.02,-283.96 -176.22,-267.7 -186.21,-249.99 -193.79,-231.13 -198.84,-211.43 -201.29,-191.25 -201.18,-181.13 -201.18,2695.67 491.93,2695.67 494,2697.74 493.11,3951.97 -200.79,3951.97 -200.03,5019.93 -200.03,5029.9 -197.39,5049.89 -192.18,5069.36 -184.46,5087.99 -174.38,5105.45 -162.11,5121.45 -147.85,5135.7 -131.85,5147.98 -114.39,5158.06 -95.77,5165.77 -76.29,5170.99 -56.3,5173.62 7525.4,5173.62 7535.86,5173.62

## Keep-outs
Top:
  region: 4643.7,206.69 4647.64,206.69 4647.64,324.8 4643.7,324.8 4643.7,206.69
  region: 3854.33,4627.95 3807.09,4627.95 3807.09,4618.11 3854.33,4618.11 3854.33,4627.95
  region: 1370.08,1474.41 1326.77,1474.41 1326.77,1468.5 1370.08,1468.5 1370.08,1474.41
  region: 2100.39,4409.45 2234.25,4409.45 2234.25,4352.36 2100.39,4352.36 2100.39,4409.45
  region: 1305.12,3830.71 1314.96,3830.71 1314.96,3779.53 1305.12,3779.53 1305.12,3830.71
  region: 5978.35,2730.31 6037.4,2730.31 6037.4,2716.54 5978.35,2716.54 5978.35,2730.31
  region: 1925.2,1984.25 1913.39,1984.25 1913.39,1952.76 1925.2,1952.76 1925.2,1984.25
  region: 1736.22,3198.82 1726.38,3198.82 1726.38,3165.35 1736.22,3165.35 1736.22,3198.82
  region: 482.28,2287.4 415.35,2287.4 415.35,2297.24 482.28,2297.24 482.28,2287.4
  region: 7525.59,791.34 7541.34,791.34 7541.34,685.04 7525.59,685.04 7525.59,791.34
  region: 5470.47,64.96 5517.72,64.96 5517.72,57.09 5470.47,57.09 5470.47,64.96
  region: 6437.01,1870.08 6444.88,1870.08 6444.88,1818.9 6437.01,1818.9 6437.01,1870.08
  region: 3602.36,143.7 3661.42,143.7 3661.42,80.71 3602.36,80.71 3602.36,143.7
  region: 1767.72,3179.13 1714.57,3179.13 1714.57,3173.23 1767.72,3173.23 1767.72,3179.13
  region: 1584.65,1358.27 1586.61,1358.27 1586.61,1316.93 1584.65,1316.93 1584.65,1358.27
  region: 6222.44,2354.33 6271.65,2354.33 6271.65,2336.61 6222.44,2336.61 6222.44,2354.33
  region: 3218.5,2076.77 3312.99,2076.77 3312.99,2080.71 3218.5,2080.71 3218.5,2076.77
  region: 4946.85,4818.9 5011.81,4818.9 5011.81,4809.06 4946.85,4809.06 4946.85,4818.9
  region: 7108.27,4492.13 7187.01,4492.13 7187.01,4500 7108.27,4500 7108.27,4492.13
  region: 2478.35,220.47 2523.62,220.47 2523.62,110.24 2478.35,110.24 2478.35,220.47
  region: 7248.03,4657.48 7356.3,4657.48 7356.3,4627.95 7248.03,4627.95 7248.03,4657.48
  region: 1421.26,3533.46 1435.04,3533.46 1435.04,3444.88 1421.26,3444.88 1421.26,3533.46
  region: 1149.61,3145.67 1141.73,3145.67 1141.73,3104.33 1149.61,3104.33 1149.61,3145.67
  region: 1803.15,1750 1834.65,1750 1834.65,1757.87 1803.15,1757.87 1803.15,1750
  region: 5322.83,818.9 5433.07,818.9 5433.07,1003.94 5322.83,1003.94 5322.83,818.9
  region: 3468.5,635.83 3517.72,635.83 3517.72,612.2 3468.5,612.2 3468.5,635.83
  region: 204.72,1192.91 145.67,1192.91 145.67,1188.98 204.72,1188.98 204.72,1192.91
  region: 7450.79,244.09 7425.2,244.09 7425.2,332.68 7450.79,332.68 7450.79,244.09
  region: 5860.24,143.7 5938.98,143.7 5938.98,163.39 5860.24,163.39 5860.24,143.7
  region: 4070.87,4580.71 4122.05,4580.71 4122.05,4588.58 4070.87,4588.58 4070.87,4580.71
  region: 1809.06,3933.07 1840.55,3933.07 1840.55,3921.26 1809.06,3921.26 1809.06,3933.07
  region: 6856.3,4187.01 6881.89,4187.01 6881.89,4173.23 6856.3,4173.23 6856.3,4187.01
  region: 1438.98,1901.57 1407.48,1901.57 1407.48,1913.39 1438.98,1913.39 1438.98,1901.57
  region: 1525.59,2895.67 1531.5,2895.67 1531.5,2866.14 1525.59,2866.14 1525.59,2895.67
  region: 2765.75,1698.82 2789.37,1698.82 2789.37,1690.94 2765.75,1690.94 2765.75,1698.82
  region: 2155.51,1405.51 2147.64,1405.51 2147.64,1342.52 2155.51,1342.52 2155.51,1405.51
  region: 2100.39,4212.6 2238.19,4212.6 2238.19,4230.31 2100.39,4230.31 2100.39,4212.6
  region: 1942.91,1962.6 1907.48,1962.6 1907.48,1952.76 1942.91,1952.76 1942.91,1962.6
  region: 6629.92,5041.34 6732.28,5041.34 6732.28,5061.02 6629.92,5061.02 6629.92,5041.34
  region: 2403.54,3923.23 2381.89,3923.23 2381.89,3929.13 2403.54,3929.13 2403.54,3923.23
  region: 1427.17,3862.2 1419.29,3862.2 1419.29,3785.43 1427.17,3785.43 1427.17,3862.2
  region: 4559.06,3466.54 4633.86,3466.54 4633.86,3472.44 4559.06,3472.44 4559.06,3466.54
  region: 4673.23,4194.88 4838.58,4194.88 4838.58,4029.53 4673.23,4029.53 4673.23,4194.88
  region: 4200.79,271.65 4171.26,271.65 4171.26,279.53 4200.79,279.53 4200.79,271.65
  region: 6348.43,2429.13 6342.52,2429.13 6342.52,2478.35 6348.43,2478.35 6348.43,2429.13
  region: 2562.99,181.1 2553.15,181.1 2553.15,151.57 2562.99,151.57 2562.99,181.1
  region: -29.53,1074.8 -9.84,1074.8 -9.84,1007.87 -29.53,1007.87 -29.53,1074.8
  region: 4311.02,3248.03 4334.65,3248.03 4334.65,3253.94 4311.02,3253.94 4311.02,3248.03
  region: 7452.76,4657.48 7332.68,4657.48 7332.68,4641.73 7452.76,4641.73 7452.76,4657.48
  region: 6368.11,2458.66 6364.17,2458.66 6364.17,2433.07 6368.11,2433.07 6368.11,2458.66
  region: 964.57,2588.58 1023.62,2588.58 1023.62,2602.36 964.57,2602.36 964.57,2588.58
  region: 4480.32,4155.51 4468.5,4155.51 4468.5,4106.3 4480.32,4106.3 4480.32,4155.51
  region: 1655.51,3139.76 1704.72,3139.76 1704.72,3151.57 1655.51,3151.57 1655.51,3139.76
  region: 6275.59,2627.95 6293.31,2627.95 6293.31,2690.94 6275.59,2690.94 6275.59,2627.95
  region: 5718.5,767.72 5712.6,767.72 5712.6,736.22 5718.5,736.22 5718.5,767.72
  region: 6360.24,2631.89 6291.34,2631.89 6291.34,2568.9 6360.24,2568.9 6360.24,2631.89
  region: 5324.8,1090.55 5389.76,1090.55 5389.76,1072.83 5324.8,1072.83 5324.8,1090.55
  region: 6135.83,2732.28 6124.02,2732.28 6124.02,2653.54 6135.83,2653.54 6135.83,2732.28
  region: 3677.17,509.84 3659.45,509.84 3659.45,606.3 3677.17,606.3 3677.17,509.84
  region: 3482.28,458.66 3517.72,458.66 3517.72,474.41 3482.28,474.41 3482.28,458.66
  region: 1498.03,3283.46 1490.16,3283.46 1490.16,3250 1498.03,3250 1498.03,3283.46
  region: 5053.15,-114.17 5078.74,-114.17 5078.74,-98.43 5053.15,-98.43 5053.15,-114.17
  region: 710.63,2537.4 710.63,2484.25 842.52,2484.25 842.52,2537.4 710.63,2537.4
  region: 2190.94,3696.85 2161.42,3696.85 2161.42,3704.72 2190.94,3704.72 2190.94,3696.85
  region: 6358.27,129.92 6389.76,129.92 6389.76,141.73 6358.27,141.73 6358.27,129.92
  region: 4122.05,4580.71 4141.73,4580.71 4141.73,4588.58 4122.05,4588.58 4122.05,4580.71
  region: 1803.15,2049.21 1702.76,2049.21 1702.76,2210.63 1803.15,2210.63 1803.15,2049.21
  region: 3832.68,59.06 3877.95,59.06 3877.95,51.18 3832.68,51.18 3832.68,59.06
  region: 7013.78,5001.97 7108.27,5001.97 7108.27,5011.81 7013.78,5011.81 7013.78,5001.97
  region: 4582.68,-155.51 5125.98,-155.51 5125.98,-192.91 4582.68,-192.91 4582.68,-155.51
  region: 4488.19,3649.61 4521.65,3649.61 4521.65,3659.45 4488.19,3659.45 4488.19,3649.61
  region: 6041.34,129.92 6076.77,129.92 6076.77,137.8 6041.34,137.8 6041.34,129.92
  region: 4377.95,4570.87 4505.91,4570.87 4505.91,4576.77 4377.95,4576.77 4377.95,4570.87
  region: 429.13,2375.98 429.13,2421.26 446.85,2421.26 446.85,2375.98 429.13,2375.98
  region: 6220.47,631.89 6257.87,631.89 6257.87,633.86 6220.47,633.86 6220.47,631.89
  region: 1836.61,448.82 2021.65,448.82 2021.65,427.17 1836.61,427.17 1836.61,448.82
  region: 4935.04,-114.17 4968.5,-114.17 4968.5,-104.33 4935.04,-104.33 4935.04,-114.17
  region: 7531.5,677.17 7541.34,677.17 7541.34,610.24 7531.5,610.24 7531.5,677.17
  region: 4244.09,78.74 4255.91,78.74 4255.91,39.37 4244.09,39.37 4244.09,78.74
  region: 2608.27,3720.47 2608.27,3549.21 2667.32,3549.21 2667.32,3720.47 2608.27,3720.47
  region: 7401.57,3486.22 7381.89,3486.22 7381.89,3419.29 7401.57,3419.29 7401.57,3486.22
  region: 6059.06,2521.65 6224.41,2521.65 6224.41,2356.3 6059.06,2356.3 6059.06,2521.65
  region: 3667.32,4568.9 3722.44,4568.9 3722.44,4588.58 3667.32,4588.58 3667.32,4568.9
  region: 6055.12,2698.82 6096.46,2698.82 6096.46,2688.98 6055.12,2688.98 6055.12,2698.82
  region: 7437.01,5001.97 7535.43,5001.97 7535.43,5015.75 7437.01,5015.75 7437.01,5001.97
  region: 1102.36,3809.06 1110.24,3809.06 1110.24,3742.13 1102.36,3742.13 1102.36,3809.06
  region: 1714.57,3529.53 1801.18,3529.53 1801.18,3498.03 1714.57,3498.03 1714.57,3529.53
  region: 6535.43,3206.69 6633.86,3206.69 6633.86,3185.04 6535.43,3185.04 6535.43,3206.69
  region: 5909.45,742.13 5982.28,742.13 5982.28,734.25 5909.45,734.25 5909.45,742.13
  region: 519.69,2576.77 519.69,2562.99 492.13,2562.99 492.13,2576.77 519.69,2576.77
  region: 4171.26,4570.87 4281.5,4570.87 4281.5,4578.74 4171.26,4578.74 4171.26,4570.87
  region: 2600.39,62.99 2633.86,62.99 2633.86,49.21 2600.39,49.21 2600.39,62.99
  region: 1667.32,3395.67 1622.05,3395.67 1622.05,3405.51 1667.32,3405.51 1667.32,3395.67
  region: 3751.97,4492.13 3795.28,4492.13 3795.28,4501.97 3751.97,4501.97 3751.97,4492.13
  region: 4574.8,-236.22 5124.02,-236.22 5124.02,-208.66 4574.8,-208.66 4574.8,-236.22
  region: 161.42,1005.91 -29.53,1005.91 -29.53,1076.77 161.42,1076.77 161.42,1005.91
  region: 1525.59,2994.09 1539.37,2994.09 1539.37,2938.98 1525.59,2938.98 1525.59,2994.09
  region: 3653.54,655.51 3645.67,655.51 3645.67,624.02 3653.54,624.02 3653.54,655.51
  region: 2135.83,1314.96 2035.43,1314.96 2035.43,1322.83 2135.83,1322.83 2135.83,1314.96
  region: 4179.13,2330.71 4147.64,2330.71 4147.64,2334.65 4179.13,2334.65 4179.13,2330.71
  region: 2405.51,3923.23 2580.71,3923.23 2580.71,3940.94 2405.51,3940.94 2405.51,3923.23
  region: 4561.02,332.68 4557.09,332.68 4557.09,289.37 4561.02,289.37 4561.02,332.68
  region: 1795.28,448.82 1846.46,448.82 1846.46,423.23 1795.28,423.23 1795.28,448.82
  region: 5872.05,2238.19 5964.57,2238.19 5964.57,2261.81 5872.05,2261.81 5872.05,2238.19
  region: 2086.61,4850.39 2100.39,4850.39 2100.39,4812.99 2086.61,4812.99 2086.61,4850.39
  region: 5409.45,1080.71 5435.04,1080.71 5435.04,1070.87 5409.45,1070.87 5409.45,1080.71
  region: 4356.3,187.01 4391.73,187.01 4391.73,169.29 4356.3,169.29 4356.3,187.01
  region: 523.62,2259.84 523.62,2464.57 738.19,2464.57 738.19,2259.84 523.62,2259.84
  region: 3415.35,-7.87 3417.32,-7.87 3417.32,17.72 3415.35,17.72 3415.35,-7.87
  region: 7049.21,4657.48 7149.61,4657.48 7149.61,4637.8 7049.21,4637.8 7049.21,4657.48
  region: 1287.4,1980.31 1417.32,1980.31 1417.32,1988.19 1287.4,1988.19 1287.4,1980.31
  region: 3537.4,4803.15 3578.74,4803.15 3578.74,4793.31 3537.4,4793.31 3537.4,4803.15
  region: -29.53,1149.61 -23.62,1149.61 -23.62,1127.95 -29.53,1127.95 -29.53,1149.61
  region: 4525.59,4187.01 4537.4,4187.01 4537.4,3958.66 4525.59,3958.66 4525.59,4187.01
  region: 6905.51,4281.5 6917.32,4281.5 6917.32,4179.13 6905.51,4179.13 6905.51,4281.5
  region: 4649.61,3663.39 4661.42,3663.39 4661.42,3600.39 4649.61,3600.39 4649.61,3663.39
  region: 387.8,2464.57 387.8,2407.48 472.44,2407.48 472.44,2464.57 387.8,2464.57
  region: 5198.82,1248.03 5208.66,1248.03 5208.66,1204.72 5198.82,1204.72 5198.82,1248.03
  region: 7051.18,1531.5 7043.31,1531.5 7043.31,1476.38 7051.18,1476.38 7051.18,1531.5
  region: 3311.02,2181.1 3192.91,2181.1 3192.91,2173.23 3311.02,2173.23 3311.02,2181.1
  region: 2129.92,4454.72 2204.72,4454.72 2204.72,4440.94 2129.92,4440.94 2129.92,4454.72
  region: 4811.02,-114.17 4842.52,-114.17 4842.52,-104.33 4811.02,-104.33 4811.02,-114.17
  region: 6868.11,4204.72 6872.05,4204.72 6872.05,4179.13 6868.11,4179.13 6868.11,4204.72
  region: 1470.47,3356.3 1454.72,3356.3 1454.72,3409.45 1470.47,3409.45 1470.47,3356.3
  region: 1846.46,4053.15 1986.22,4053.15 1986.22,3874.02 1846.46,3874.02 1846.46,4053.15
  region: 4785.43,4429.13 4811.02,4429.13 4811.02,4417.32 4785.43,4417.32 4785.43,4429.13
  region: 3368.11,2074.8 3374.02,2074.8 3374.02,2045.28 3368.11,2045.28 3368.11,2074.8
  region: 5852.36,2553.15 5864.17,2553.15 5864.17,2470.47 5852.36,2470.47 5852.36,2553.15
  region: 1962.6,4852.36 1972.44,4852.36 1972.44,4814.96 1962.6,4814.96 1962.6,4852.36
  region: 1643.7,2791.34 1584.65,2791.34 1584.65,2940.94 1643.7,2940.94 1643.7,2791.34
  region: 2470.47,76.77 2523.62,76.77 2523.62,59.06 2470.47,59.06 2470.47,76.77
  region: 2661.42,124.02 2748.03,124.02 2748.03,125.98 2661.42,125.98 2661.42,124.02
  region: 1775.59,2334.65 1789.37,2334.65 1789.37,2293.31 1775.59,2293.31 1775.59,2334.65
  region: 1525.59,2822.83 1529.53,2822.83 1529.53,2803.15 1525.59,2803.15 1525.59,2822.83
  region: 2080.71,4374.02 2248.03,4374.02 2248.03,4338.58 2080.71,4338.58 2080.71,4374.02
  region: 1568.9,3490.16 1627.95,3490.16 1627.95,3470.47 1568.9,3470.47 1568.9,3490.16
  region: 964.57,2521.65 956.69,2521.65 956.69,2586.61 964.57,2586.61 964.57,2521.65
  region: 2586.61,4767.72 2624.02,4767.72 2624.02,4765.75 2586.61,4765.75 2586.61,4767.72
  region: 6210.63,5062.99 6311.02,5062.99 6311.02,5035.43 6210.63,5035.43 6210.63,5062.99
  region: 435.04,2393.7 435.04,2372.05 383.86,2372.05 383.86,2393.7 435.04,2393.7
  region: 7498.03,889.76 7484.25,889.76 7484.25,791.34 7498.03,791.34 7498.03,889.76
  region: 7263.78,4576.77 7277.56,4576.77 7277.56,4519.69 7263.78,4519.69 7263.78,4576.77
  region: 874.02,2395.67 818.9,2395.67 818.9,2401.57 874.02,2401.57 874.02,2395.67
  region: 1423.23,3139.76 1515.75,3139.76 1515.75,3129.92 1423.23,3129.92 1423.23,3139.76
  region: 6248.03,2374.02 6259.84,2374.02 6259.84,2344.49 6248.03,2344.49 6248.03,2374.02
  region: 6299.21,2582.68 6295.28,2582.68 6295.28,2474.41 6299.21,2474.41 6299.21,2582.68
  region: 1958.66,3799.21 1956.69,3799.21 1956.69,3665.35 1958.66,3665.35 1958.66,3799.21
  region: 7480.32,4486.22 7348.43,4486.22 7348.43,4513.78 7480.32,4513.78 7480.32,4486.22
  region: 3909.45,336.61 3854.33,336.61 3854.33,354.33 3909.45,354.33 3909.45,336.61
  region: -23.62,1811.02 -17.72,1811.02 -17.72,1783.46 -23.62,1783.46 -23.62,1811.02
  region: 5832.68,2293.31 5915.35,2293.31 5915.35,2307.09 5832.68,2307.09 5832.68,2293.31
  region: 7051.18,1403.54 7045.28,1403.54 7045.28,1462.6 7051.18,1462.6 7051.18,1403.54
  region: 7232.28,864.17 7234.25,864.17 7234.25,818.9 7232.28,818.9 7232.28,864.17
  region: 2125.98,1444.88 2124.02,1444.88 2124.02,1403.54 2125.98,1403.54 2125.98,1444.88
  region: 4179.13,4503.94 4273.62,4503.94 4273.62,4498.03 4179.13,4498.03 4179.13,4503.94
  region: 303.15,732.28 377.95,732.28 377.95,720.47 303.15,720.47 303.15,732.28
Power:
  region: 3503.94,4460.63 3517.72,4460.63 3517.72,4454.72 3503.94,4454.72 3503.94,4460.63
  region: 4271.65,4232.28 4625.98,4232.28 4625.98,4086.61 4271.65,4086.61 4271.65,4232.28
  region: 4450.79,3198.82 4387.8,3198.82 4387.8,3212.6 4450.79,3212.6 4450.79,3198.82
  region: 5161.42,4244.09 5326.77,4244.09 5326.77,4236.22 5161.42,4236.22 5161.42,4244.09
  region: 4391.73,4330.71 4706.69,4330.71 4706.69,4222.44 4391.73,4222.44 4391.73,4330.71
  region: 5183.07,4167.32 5354.33,4167.32 5354.33,4192.91 5183.07,4192.91 5183.07,4167.32
Bottom:
  region: 3267.72,2053.15 3125.98,2053.15 3125.98,2045.28 3267.72,2045.28 3267.72,2053.15
  region: 5448.82,1706.69 5446.85,1706.69 5446.85,1738.19 5448.82,1738.19 5448.82,1706.69
  region: 3053.15,2001.97 3062.99,2001.97 3062.99,1954.72 3053.15,1954.72 3053.15,2001.97
  region: 3318.9,1970.47 3220.47,1970.47 3220.47,1992.13 3318.9,1992.13 3318.9,1970.47
  region: 3053.15,1950.79 3068.9,1950.79 3068.9,1895.67 3053.15,1895.67 3053.15,1950.79
  region: 3301.18,1923.23 3293.31,1923.23 3293.31,1901.57 3301.18,1901.57 3301.18,1923.23
  region: 2340.55,2891.73 2356.3,2891.73 2356.3,2844.49 2340.55,2844.49 2340.55,2891.73
  region: 2330.71,2976.38 2344.49,2976.38 2344.49,2905.51 2330.71,2905.51 2330.71,2976.38
  region: 3157.48,1984.25 3214.57,1984.25 3214.57,1929.13 3157.48,1929.13 3157.48,1984.25
  region: 1372.05,3842.52 1413.39,3842.52 1413.39,3832.68 1372.05,3832.68 1372.05,3842.52
Keep-Out Layer:
  lines w3.94: -201.18,-181.13 -201.18,2695.67 491.93,2695.67 494,2697.74 493.11,3951.97 -200.79,3951.97 -200.03,5019.93 ; -201.18,-181.08 ccw(c-46.09,-182.71) -47.72,-337.79 ; -200.03,5019.82 cw(c-46.22,5019.82) -46.22,5173.62 7525.4,5173.62 cw(c7525.4,5013.98) 7685.04,5013.98 7685.04,-179.71 cw(c7526.95,-179.71) 7526.95,-337.8 -47.67,-337.8